# Altium PCB forEtch.PcbDoc
Units mm, origin at the board's own origin, x right, y up, seen from the top; angles counter-clockwise.
Board outline 50 x 30.5 mm, 2 copper layers (TC, BC), stack 0.325 mm thick; 25 components, 13 nets, 79 pads, 19 vias.
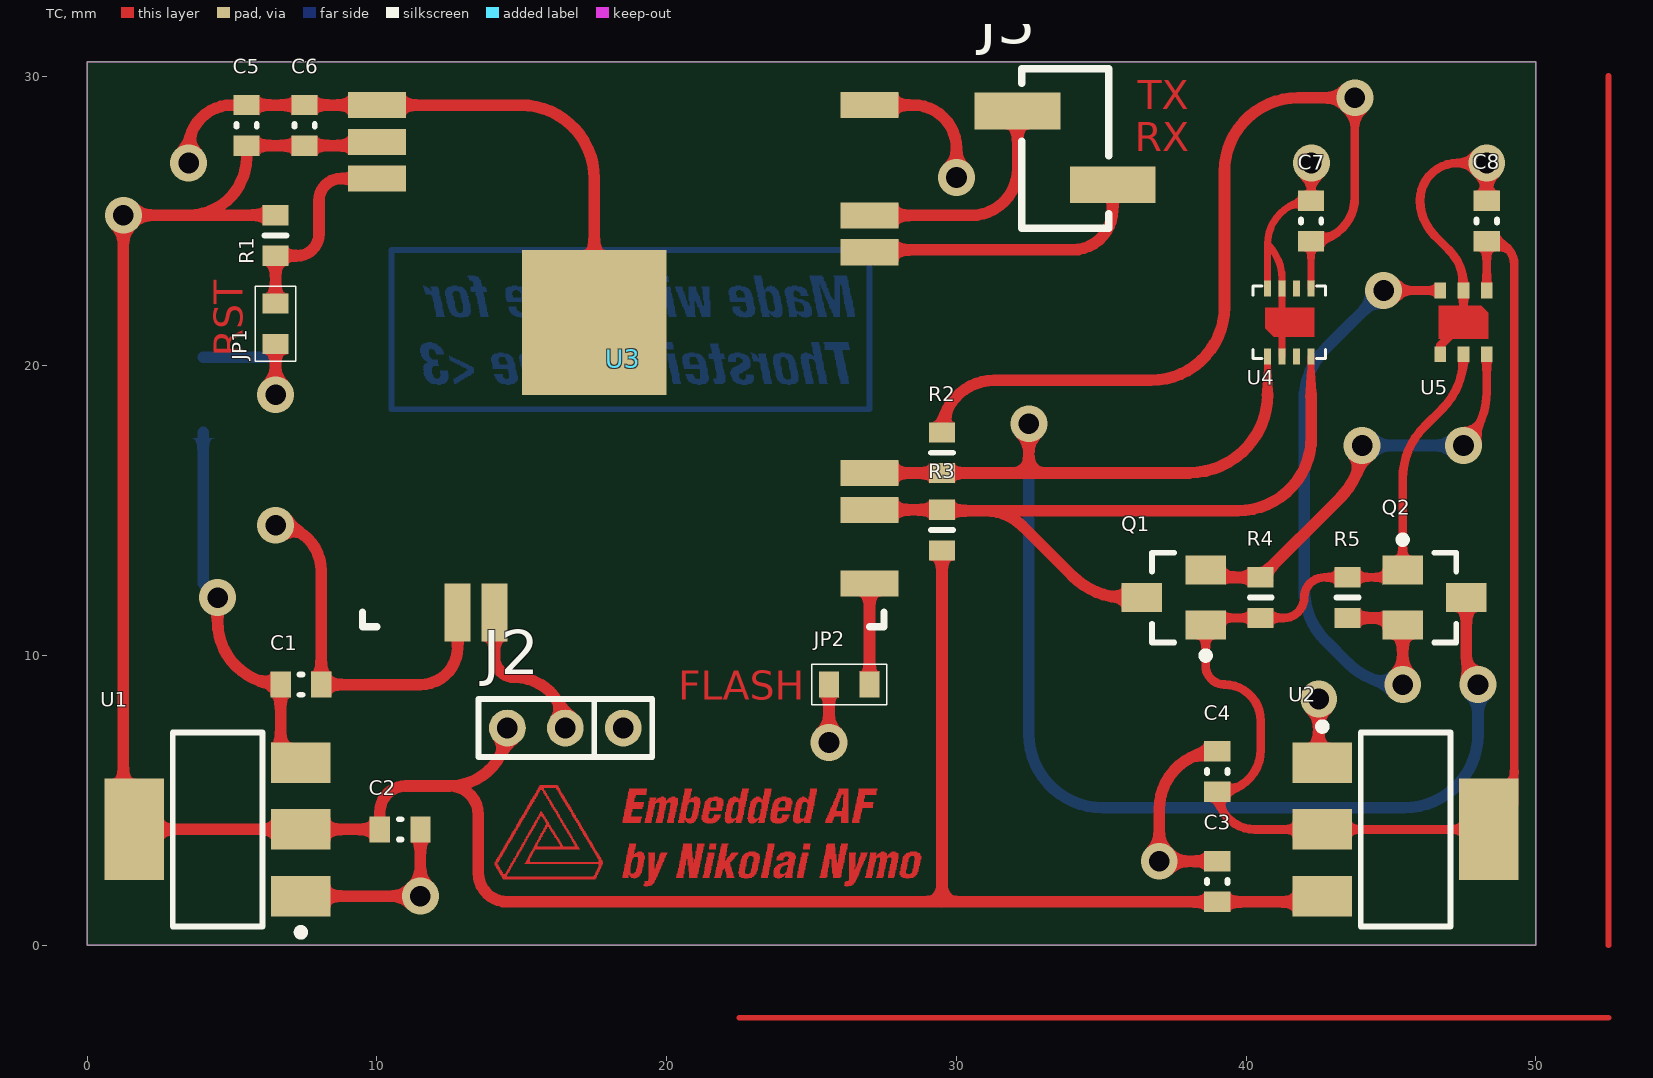
[diagram p0: TC view]
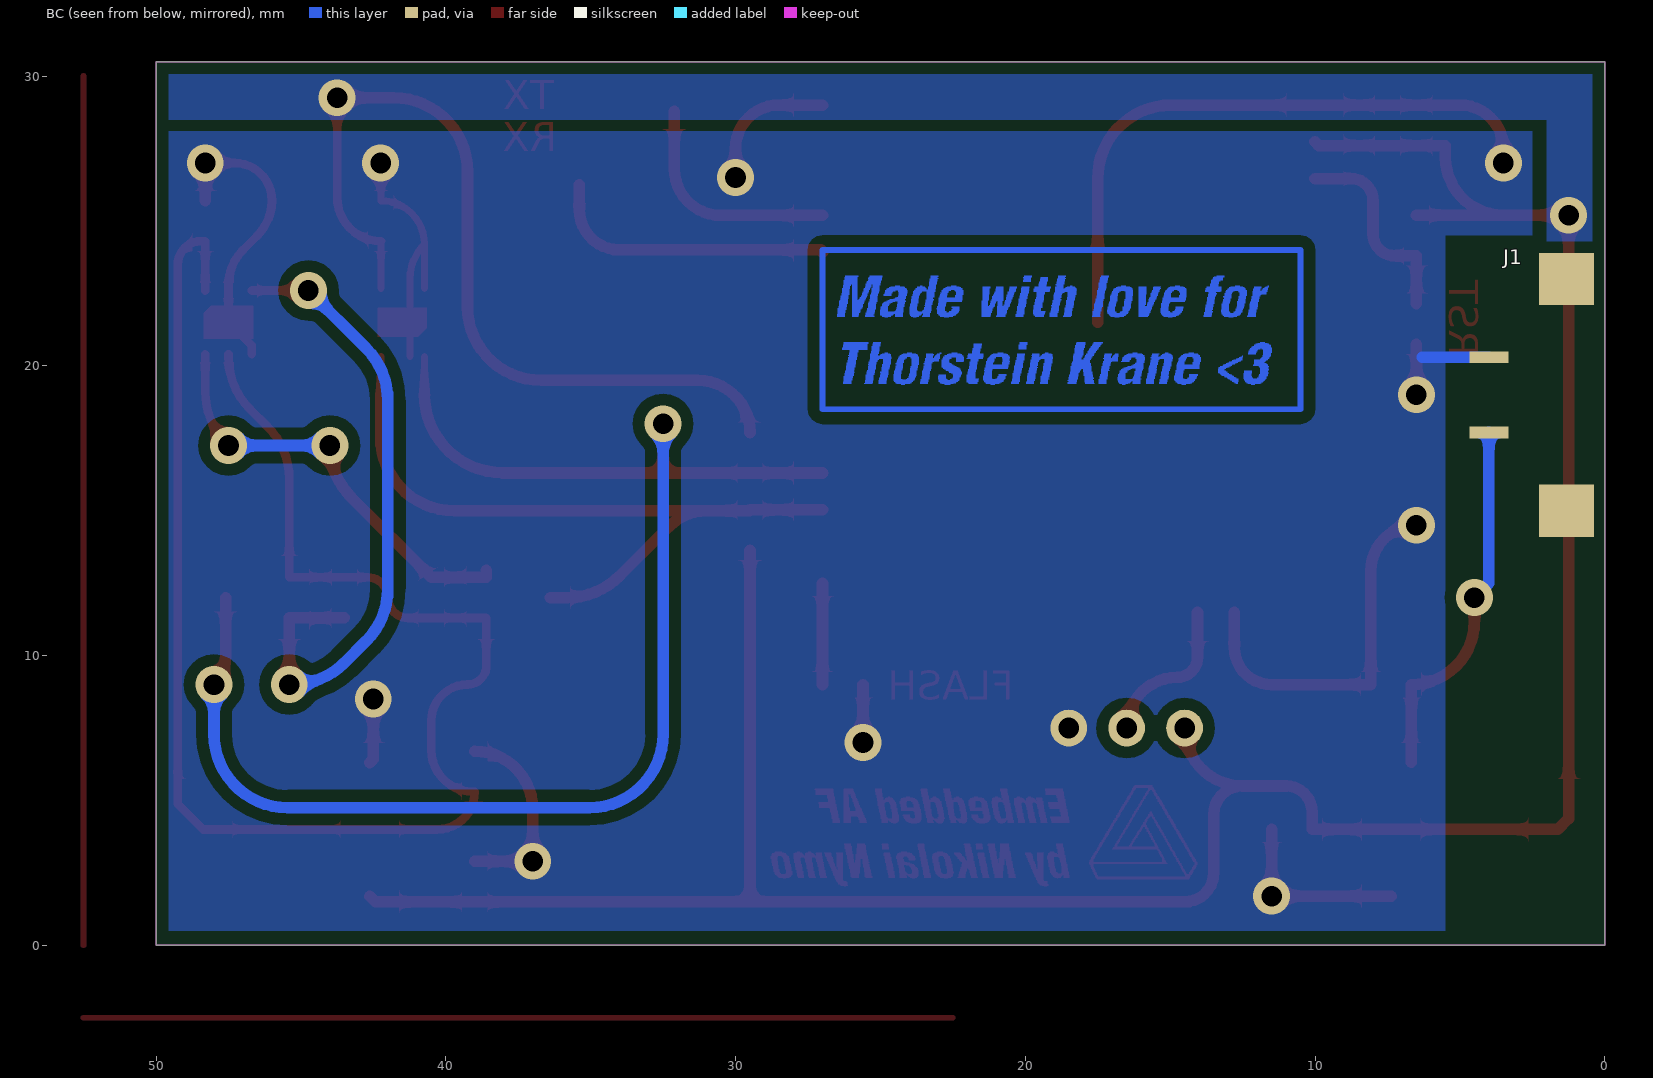
[diagram p1: BC view, seen from below]
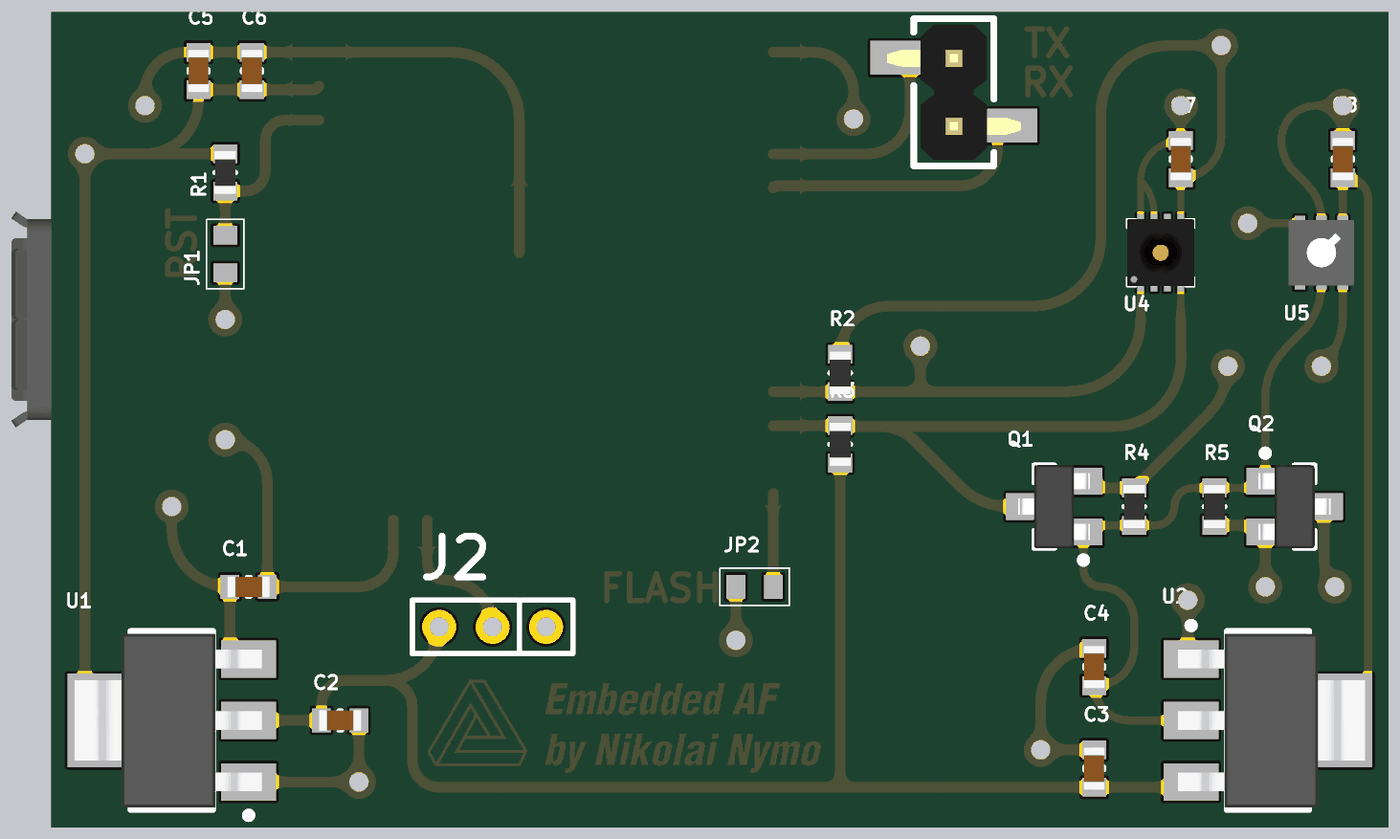
[diagram p2: 3D render of the assembled board from above, using the file's embedded part models]

## Layer stack, top to bottom
TC: signal copper 0.0356
Dielectric 1: core 0.254, FR-4, Dk 4.2
BC: signal copper 0.0356

## Board outline
0,0 0,30.5 50,30.5 50,0

## Design rules (kind name [scope] priority, off if disabled: settings)
Clearance Clearance_Text [IsText] p1: gap=0 ignorepadtopadclearanceinfootprint=FALSE
Clearance Clearance_Poly [All vs InPolygon] p2: gap=0.4 ignorepadtopadclearanceinfootprint=FALSE except(0: Arc-Hole Track-Hole SMDPad-Hole THPad-Hole Via-Hole Fill-Hole Poly-Hole Region-Hole Text-Hole)
Clearance [All] p3: gap=0.25 ignorepadtopadclearanceinfootprint=FALSE except(0: Arc-Hole Track-Hole SMDPad-Hole THPad-Hole Via-Hole Fill-Hole Poly-Hole Region-Hole Text-Hole)
HoleSize [All] p1: absolutevalues=TRUE maxlimit=5 minlimit=0.025 maxpercent=80.000 minpercent=20.000
PlaneConnect [All] p1: planeconnectstyle=Direct reliefexpansion=0.508 reliefentries=4 reliefconductorwidth=0.254 reliefairgap=0.254
PolygonConnect [All] p1: connectstyle=Direct reliefconductorwidth=0.254 reliefentries=4 polygonreliefangle="90 Angle" airgapwidth=0.254
RoutingVias [All] p1: holewidth=0.711 width=1.27 viastyle="Through Hole" minholewidth=0.711 minwidth=1.27 maxholewidth=0.711 maxwidth=1.27
SolderMaskExpansion [All] p1: expansion=0.102
Width [All] p1: maxlimit=2 minlimit=0.25 preferedwidth=0.4 minimp=50.000000 maximp=50.000000 favimp=50.000000
28 further rules are at their usual default settings.

## Components (designator, comment, footprint, x,y, rotation, side; value= is the part's Value field where it differs from the comment)
C1 "0.1uF" Capacitor_0603 7.375,9 r180 top
C2 "10uF" Capacitor_0603 10.8,4 r0 top
C3 "0.1uF" Capacitor_0603 39,2.2 r270 top
C4 "10uF" Capacitor_0603 39,6 r270 top
C5 "10uF" Capacitor_0603 5.5,28.3 r270 top
C6 "0.1uF" Capacitor_0603 7.5,28.3 r270 top
C7 "0.1uF" Capacitor_0603 42.237,25 r270 top
C8 "0.1uF" Capacitor_0603 48.3,25 r270 top
J1 "USB" CON_uUSB_NODRILL 4,19 r90 bottom
J2 "3pin_TH_Via_Solder_Connector" 3pin_VIA_solder_connector 16.5,7.5 r180 top
J3 "Con_2Pos_2.54mm_SMD" "1x2 SMD header" 33.75,26.25 r270 top
JP1 "0603" pads_0603 6.5,21.45 r90 top
JP2 "0603" pads_0603 26.3,9 r0 top
Q1 "BSS138" SOT-23-3 37.5,12 r180 top
Q2 "BSS138" SOT-23-3 46.5,12 r0 top
R1 "10K" Resistor_0603 6.5,24.5 r90 top
R2 "10K" Resistor_0603 29.5,17 r90 top
R3 "10K" Resistor_0603 29.5,14.33 r270 top
R4 "10K" Resistor_0603 40.5,12 r270 top
R5 "10K" Resistor_0603 43.5,12 r90 top
U1 "LD1117S33TR" SOT-223 4.5,4 r180 top
U2 "LD1117S18TR" SOT-223 45.5,4 r0 top
U3 "ESP32-WROOM-32D" ESP_WROOM_32D 9.5,36.49 r0 top
U4 "SHT-30-DIS-B" SHT3x_8-VFDFN_Exposed_Pad 41.488,21.5 r90 top
U5 "SGP30-2.5K" SGP30-2.5k 47.5,21.5 r270 top

## Footprints (in the part's own frame and the unit in brackets; to place one, negate y for a bottom-side part, rotate by r counter-clockwise, add the part's x,y. Pads: shape width x height; smd on the part's side, far side on the other; paste and mask are expansions set on the pad)
"1x2 SMD header" [mm] "2.54 mm pitch, angled legs, MPN: 87898-0204"
  rect 1.27x2.96 smd: 1(-2.54,-1.64) 2(0,1.64)
  silkscreen extent -4,-1.5 1.5,1.5, body extent -3.79,-2.5 1.29,2.5, height 9.8
3pin_VIA_solder_connector [mm]
  round 1.27 hole 0.711: 1(-2,0) 2(0,0) 3(2,0)
  silkscreen extent -3,-1 3,1
Capacitor_0603 [mm] "Chip Capacitor, Body 1.6x0.8mm, Height 0.55mm, IPC High Density"
  rect 0.7x0.9 smd: 1(-0.7,0) 2(0.7,0)
  silkscreen extent -0.05,-0.35 0.05,0.35, body extent -0.8,-0.4 0.8,0.4, height 0.6
CON_uUSB_NODRILL [mm] "ZX62-AB-5PA(31)"
  rect 0.4x1.35 smd mask+0.03: 1(-1.3,0) 5(1.3,0)
  rect 1.8x1.9 smd mask+0.03: SH(-4,-2.675) SH(4,-2.675)
  body extent -4.4,-5.5 4.4,0.1, height 2.75
ESP_WROOM_32D [mm] "ESP32 SoM"
  rect 2x0.9 smd: 1(0.5,-7.49) 2(0.5,-8.76) 3(0.5,-10.03) 25(17.5,-24) 27(17.5,-21.46) 28(17.5,-20.19) 34(17.5,-12.57) 35(17.5,-11.3) 38(17.5,-7.49)
  rect 0.9x2 smd: 15(3.285,-25) 16(4.555,-25)
  rect 5x5 smd: 39(8,-14.99)
  silkscreen extent 0,-25.5 18,-25, body extent 0,-25.5 18,0, height 2.91
pads_0603 [mm] "0603 Blank pads, no-BOM"
  rect 0.7x0.9 smd: 1(-0.7,0) 2(0.7,0)
  silkscreen extent -1.3,-0.7 1.3,0.7
Resistor_0603 [mm] "Chip Resistor, Body 1.6x0.8mm, IPC High Density"
  rect 0.7x0.9 smd: 1(-0.7,0) 2(0.7,0)
  silkscreen extent 0,-0.38 0,0.38, body extent -0.8,-0.4 0.8,0.4, height 0.41
SGP30-2.5k [mm] "6-pin DFN package: 2.45 x 2.45 x 0.9 mm"
  rect 0.55x0.4 smd: 1(-1.1,0.8) 2(-1.1,0) 3(-1.1,-0.8) 4(1.1,-0.8) 5(1.1,0) 6(1.1,0.8)
  TC region: -0.57,-0.85 -0.57,0.605 -0.325,0.85 0.57,0.85 0.57,-0.85
  body extent -1.23,-1.22 1.23,1.23, height 0.9
SHT3x_8-VFDFN_Exposed_Pad [mm] "Sensirion SHT3x 8-DFN"
  rect 0.55x0.25 smd: 1(-1.175,0.75) 2(-1.175,0.25) 3(-1.175,-0.25) 4(-1.175,-0.75) 5(1.175,-0.75) 6(1.175,-0.25) 7(1.175,0.25) 8(1.175,0.75)
  TC region: -0.5,0.537 -0.5,-0.863 0.5,-0.863 0.5,0.838 -0.2,0.838
  silkscreen extent -1.25,-1.25 1.25,1.25, body extent -1.26,-1.25 1.26,1.25, height 0.9
SOT-23-3 [mm] "SOT23, 3-Leads, Body 3.12x1.5mm, Pitch 0.95mm"
  rect 1.4x1 smd: 1(-1.1,0.95) 2(-1.1,-0.95) 3(1.1,0)
  silkscreen extent -1.23,-1.55 0.75,2.12, body extent -1.35,-1.56 1.35,1.56, height 1.2
SOT-223 [mm]
  rect 2.05x1.4 smd: 1(-2.875,2.3) 2(-2.875,0) 3(-2.875,-2.3)
  rect 2.05x3.5 smd: 4(2.875,0)
  silkscreen extent -3,-3.35 1.55,3.67, body extent -3.37,-3.25 3.63,3.25, height 1.64

## Part data
C1 C2 C3 C4 C5 C6 C7 C8: library part Capacitor, "Generic capacitor symbol", Capacitance=100nF, Case/Package=0603, Case Code (Metric)=1608, Dielectric=X7R, Manufacturer=Murata, Manufacturer Part Number=GCM188R71C104KA37D, Max Operating Temperature=125°C, Min Operating Temperature=-55°C, Package Quantity=4000, Ratings=AEC-Q200, Supplier Part Number 1=490-4774-1-ND, Tolerance=10%, Voltage=16V, Case Code (Imperial)=0603, Depth=0.8mm, Height=0.8mm, Lead Free="Lead Free", Length=1.6mm, Mount="Surface Mount", Packaging="Tape and Reel", Pricing 1="1=0.1, 10=0.076, 100=0.0341, 500=0.0243, 1000=0.0191 (USD)", Radiation Hardening=No, REACH SVHC="No SVHC", Stock 1=40000, Supplier 1=Digi-Key, Termination=SMD/SMT, Thickness=0.035inch, Voltage Rating=16V, Voltage Rating (DC)=16V, Width=0.031inch
J1: library part Con_USB_5pos+Shield_NoDrill, "USB 2.0 Connector, Shielded, NoDrill"
J2: "NO-BOM"
J3: "2 position connector", Supplier Part Number 1=WM9852-ND, Supplier 1=Digi-Key
JP1 JP2: library part "Jumper Pad 0603", "Jumper pads, 0603, no-BOM"
Q1 Q2: library part MFET_Nch, "MOSFET N-CH 50V 220MA SOT-23", Supplier Part Number 1=BSS138DKR-ND, Supplier 1=Digi-Key
R1 R2 R3 R4 R5: library part Resistor, "Generic resistor symbol"
U1: library part LDO_3V3, "Fixed 3V3 output LDO LD1117S33TR", Supplier Part Number 1=497-1242-1-ND, Supplier 1=Digi-Key
U2: library part LDO_1V8, "Fixed 1V8 output LDO LD1117S18TR", Supplier Part Number 1=497-7308-1-ND, Supplier 1=Digi-Key
U3: library part ESP32_WROOM, "ESP32 Module", Supplier Part Number 1=356-ESP32WROOM-32D, Supplier 1=Mouser
U4: library part SHT-30, "SENSOR HUMID/TEMP 5V I2C 3% SMD", Supplier Part Number 1=1649-1009-1-ND, Supplier 1=Digi-Key
U5: library part SGP-30, "SENSOR AIR QUALITY 2V I2C SMD", Supplier Part Number 1=1649-1084-1-ND, Supplier 1=Digi-Key

## Via types
v1: diameter 1.27, hole 0.711, TC to BC, tented both sides, 19 vias

## Nets (pads, with @x,y where several pads share a name; then routed paths per layer and width w, separated by ;. In a path a pad name is that pad's centre, name@x,y a point inside that pad or via, vN(x,y) a via of type N, cw(c..) or ccw(c..) an arc to the next point about the centre after c; other vN are vias at no path point)
0V: C1.1 C2.2 C3.1 C4.1 C5.1 C6.1 C7.1 C8.1 J1.5 J2.1 JP1.1 JP2.1 U1.1 U2.1 U3.1 U3.15 U3.38 U3.39 U4.2 U4.7 U4.8 U5.2 U5.4 | length 80.9
  TC w0.25: U4.8 40.738,24.2 ; U4.2 U4.7 41.237,22.993 ccw(c39.53,22.993) 40.738,24.2 ; v1(42.25,27) ccw(c42.28,26.97) 42.237,26.97 C7.1 ccw(c42.237,24.2) 40.738,24.2
  TC w0.3: U5.4 46.7,20.7 47.5,21.5 U5.2 47.5,22.793 ccw(c45.793,22.793) 47,24 46.5,24.5 cw(c47.707,25.707) 46,25.707 cw(c47.293,25.707) 47.293,27 v1(48.3,27)
  TC w0.4: v1(3.5,27) 3.5,27.5 cw(c5,27.5) 5,29 C5.1 C6.1 U3.1 14.96,29 cw(c14.96,26.46) 17.5,26.46 U3.39 ; v1(6.5,14.5) cw(c6.5,12.925) 8.075,12.925 C1.1 11.5,9 ccw(c11.5,10.285) 12.785,10.285 U3.15 ; v1(6.5,19) JP1.1 ; U1.1 v1(11.5,1.7) C2.2 ; v1(25.6,7) JP2.1 ; U3.38 28.5,29 cw(c28.5,27.5) 30,27.5 v1(30,26.5) ; C3.1 37.1,2.9 37,3 37,4.7 cw(c39,4.7) C4.1 ; v1(42.5,8.5) 42.5,6.425 U2.1 ; C8.1 v1(48.3,27)
  BC w0.4: J1.5 6.3,20.3
  other v1: 37,2.9
1V8: C4.2 C8.2 Q1.1 Q2.1 R4.2 R5.2 U2.2 U2.4 U5.1 U5.5 | length 57
  TC w0.3: U5.5 47.5,20.302 cw(c44.96,20.302) 46.756,18.506 46.144,17.894 ccw(c47.94,16.098) 45.4,16.098 Q2.1 45.4,12.7 R5.2 42.7,12.7 ccw(c42.7,12) 42,12 cw(c41.3,12) 41.3,11.3 R4.2 38.6,11.3 Q1.1 38.6,9.65 ccw(c39.25,9.65) 39.25,9 cw(c39.25,7.75) 40.5,7.75 40.5,6.75 cw(c39.05,6.75) 39.05,5.3 C4.2 ccw(c40.3,5.3) 40.3,4 U2.2 U2.4 49.25,4.875 49.25,23.5 ccw(c48.45,23.5) 48.45,24.3 C8.2 U5.1
3V3: C2.1 C3.2 C5.2 C6.2 C7.2 J2.3 R1.2 R2.2 R3.2 U1.2 U1.4 U2.3 U3.2 U4.5 | length 125.6
  TC w0.25: U4.5 C7.2
  TC w0.3: C7.2 ccw(c42.237,25.812) 43.75,25.812 v1(43.75,29.25)
  TC w0.4: R1.2 3.5,25.2 ; U3.2 9.87,27.6 C6.2 C5.2 5.5,27.2 cw(c3.5,27.2) 3.5,25.2 ; J2.3 cw(c12.5,7.5) 12.5,5.5 ; R3.2 29.5,1.5 ; R2.2 cw(c31.3,17.7) 31.3,19.5 36.71,19.5 ccw(c36.71,22.04) 39.25,22.04 39.25,26.71 cw(c41.79,26.71) 41.79,29.25 v1(43.75,29.25) ; U2.3 42.425,1.5 C3.2 29.5,1.5 ; 3.5,25.2 v1(1.25,25.2) 1.25,4.375 U1.4 U1.2 C2.1 10.1,4.6 cw(c11,4.6) 11,5.5 12.5,5.5 ; 12.5,5.5 cw(c12.5,4.5) 13.5,4.5 13.5,2.5 ccw(c14.5,2.5) 14.5,1.5 29.5,1.5
5V: C1.2 J1.1 U1.3 | length 12.8
  TC w0.4: v1(4.5,12) 4.5,11.175 ccw(c6.675,11.175) C1.2 U1.3@6.675,6.325
  BC w0.4: J1.1 4,12.5 v1(4.5,12)
AN: J2.2 U3.16 | length 5.4
  TC w0.4: U3.16 14.055,9.945 ccw(c14.75,9.945) 14.75,9.25 cw(c14.75,7.5) J2.2
NetJ3_1: J3.1 U3.35 | length 8
  TC w0.4: U3.35 30.5,25.19 ccw(c30.5,26.8) 32.11,26.8 J3.1
NetJ3_2: J3.2 U3.34 | length 10.1
  TC w0.4: U3.34 cw(c27.08,23.92) 27.08,24 34,24 ccw(c34,25.39) 35.39,25.39 J3.2
NetJP1_2: JP1.2 R1.1 U3.3 | length 7.2
  TC w0.4: JP1.2 R1.1 7.25,23.8 ccw(c7.25,24.55) 8,24.55 8,25.71 cw(c8.75,25.71) 8.75,26.46 U3.3
NetJP2_2: JP2.2 U3.25 | length 3.5
  TC w0.4: JP2.2 U3.25
NetQ1_2: Q1.2 R4.1 U5.6 | length 14.9
  TC w0.3: v1(47.5,17.25) 47.556,17.306 ccw(c45.76,19.102) 48.3,19.102 U5.6
  TC w0.4: Q1.2 38.6,12.7 R4.1 43.258,15.458 ccw(c41.465,17.25) v1(44,17.25)
  BC w0.4: v1(44,17.25) v1(47.5,17.25)
NetQ2_2: Q2.2 R5.1 U5.3 | length 22.6
  TC w0.3: v1(44.741,22.6) U5.3
  TC w0.4: R5.1 45.4,11.3 Q2.2 v1(45.4,9)
  BC w0.4: v1(44.741,22.6) 42.744,20.603 ccw(c44.54,18.806) 42,18.806 42,12.302 ccw(c44.54,12.302) 42.744,10.506 43.506,9.744 ccw(c45.302,11.54) 45.302,9 v1(45.4,9)
SCL: Q1.3 R3.1 U3.27 U4.4 | length 26
  TC w0.25: 42.237,19.012 U4.4
  TC w0.4: U3.27 R3.1 ccw(c29.53,15.03) 29.53,15 31,15 ; Q1.3 35.802,12 cw(c35.802,14.54) 34.006,12.744 32.28,14.47 ccw(c31,13.189) 31,15 ; 42.237,19.012 42.25,17.54 cw(c39.71,17.54) 39.71,15 31,15
SDA: Q2.3 R2.1 U3.28 U4.1 | length 52.2
  TC w0.25: 40.738,19.012 U4.1
  TC w0.4: U3.28 R2.1 32.5,16.3 ; v1(32.5,18) 32.5,16.3 ; 38.038,16.3 32.5,16.3 ; 38.038,16.313 ccw(c38.038,19.012) 40.738,19.012 ; Q2.3 47.6,9.966 ccw(c48.966,9.966) v1(48,9)
  BC w0.4: v1(32.5,18) 32.5,7.29 ccw(c35.04,7.29) 35.04,4.75 45.46,4.75 ccw(c45.46,7.29) 48,7.29 v1(48,9)
pads on no net: J1.SH U4.3 U4.6
copper on no net: | length 104
  TC w0.2: 22.5,-2.5 52.5,-2.5 ; 52.5,0 52.5,30
  BC w0.2: 10.5,18.5 10.5,24 27,24 27,18.5 10.5,18.5

## Polygon pours and split planes (outlines as drawn)
0V on BC "USB-0V" (solid, remove dead copper, pour order 6): 5.5,0.5 50,0.5 50,30.5 2.5,30.5 2.5,24.5 5.5,24.5
3V3 on BC "3V3_RAIL" (solid, pour order 0): 2,24.3 0,24.3 0,30.5 50,30.5 50,28.5 2,28.5

## Keep-outs
Keep-Out Layer:
  the board outline again, w0.05

## Other copper
TC:
  drawing of 26 lines, arcs and shapes, not listed
  text "TX" at 36.265,28.86 h1
  text "RX" at 36.16,27.4 h1
  text "RST" at 5.36,20.32 h1 r90
  text "FLASH" at 20.4,8.48 h1
BC:
  drawing of 33 lines, arcs and shapes, not listed

## Text inside footprints (layer, text, board x,y; h text height)
J1: To "BOARD EDGE" at -0.8,16.5 h0.5 r270